# Altium PCB DSD_Aerobits_RPI4_OLED.PcbDoc (continued)
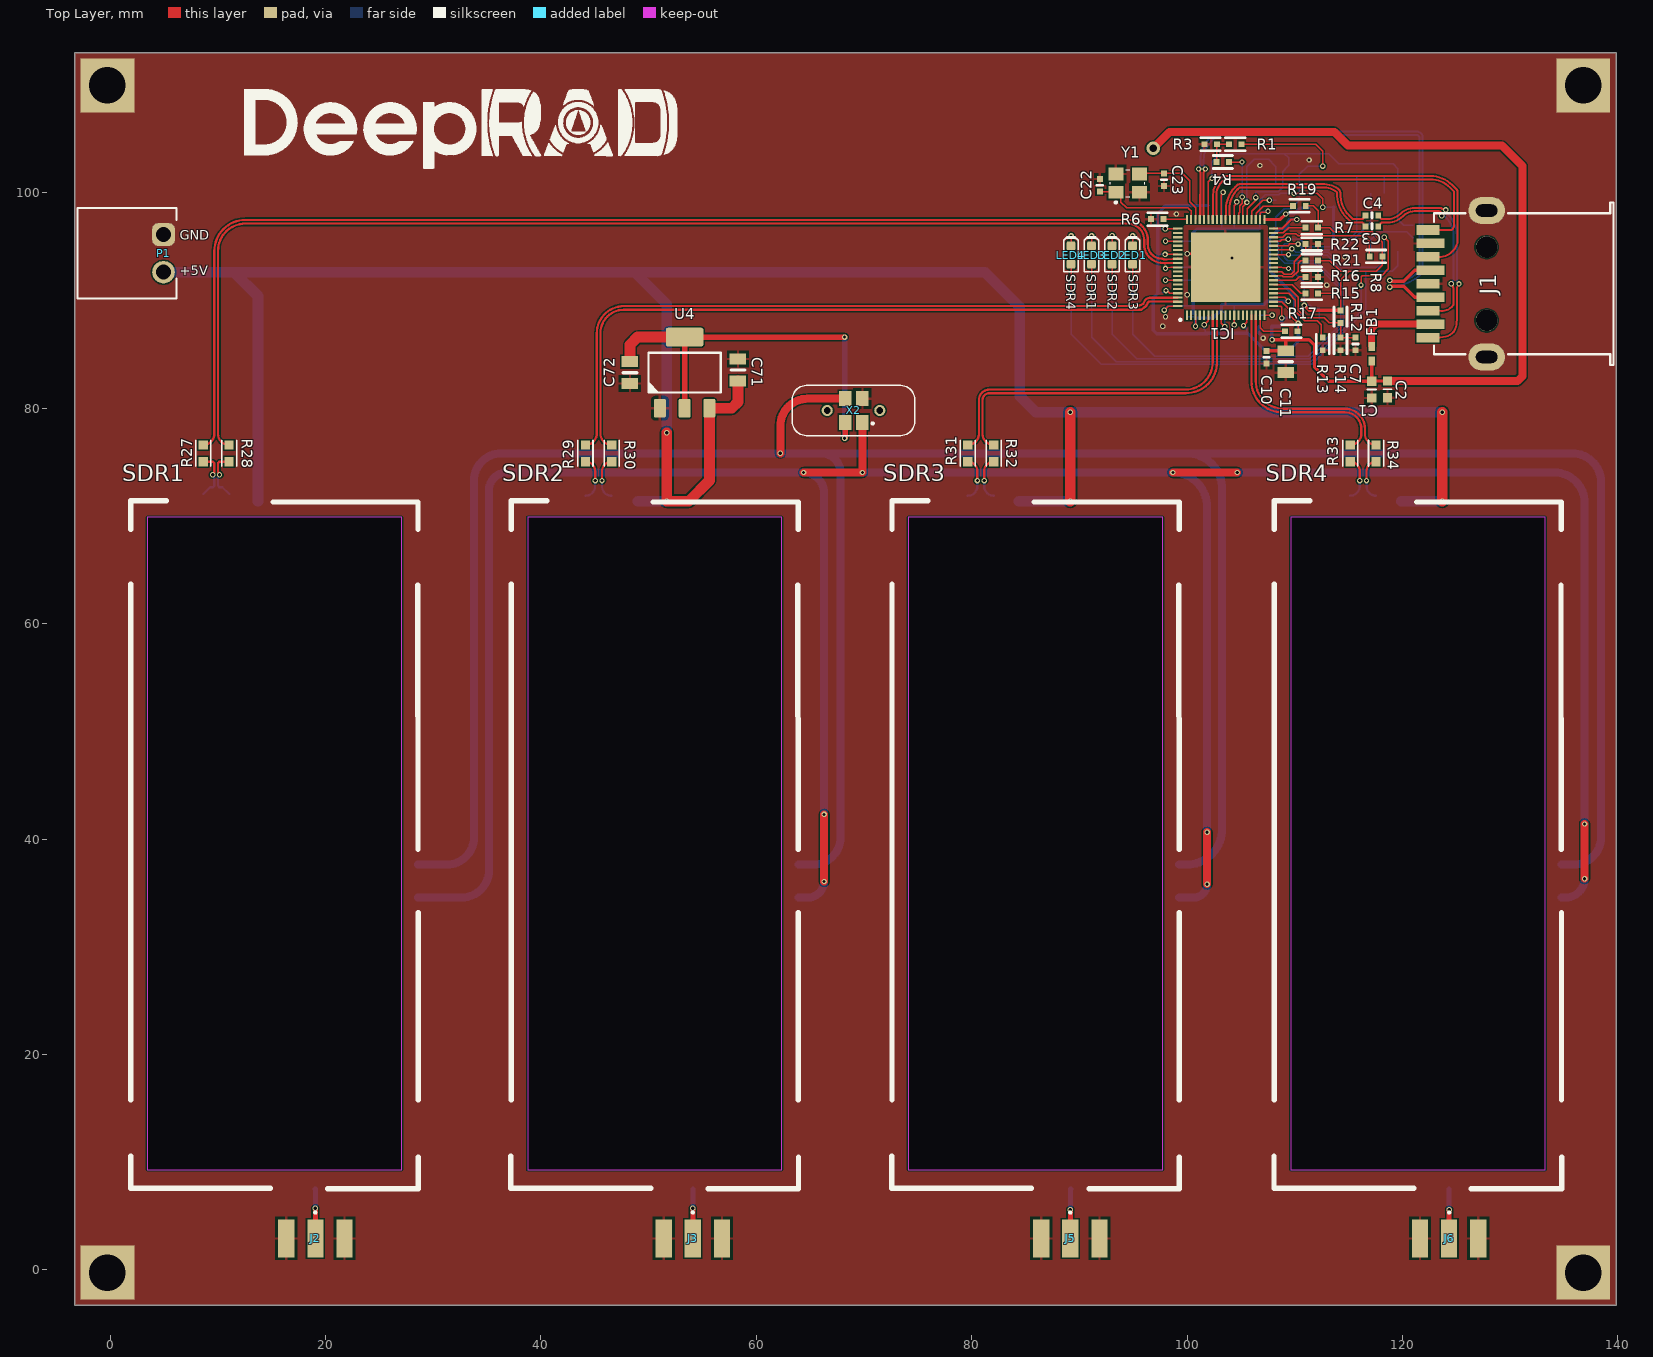
[diagram p0: Top Layer view]
## Part data
C1 C5: library part GRT188C81C106ME13D, "CAP CER 10UF 16V X6S 0603", Digi-Key Part Number=490-12286-1-ND, Manufacturer="Murata Electronics North America", Operating Temperature="-55°C ~ 105°C", Package / Case="0603 (1608 Metric)", Ratings=AEC-Q200, Temperature Coefficient=X6S, Tolerance=±20%, Voltage=16V, @ qty=0, Applications=Automotive, Datasheets=http://search.murata.co.jp/Ceramy/image/img/A01X/G101/ENG/GRT188C81C106ME13-01.pdf, Factory Stock=0, Features=-, Height - Seated (Max)=-, Image=//media.digikey.com/Renders/Murata%20Renders/0603%28LQG18%29.jpg, Lead Spacing=-, Lead Style=-, Minimum Quantity=1, Mounting Type="Surface Mount, MLCC", Packaging="Cut Tape (CT)", Part Number=GRT188C81C106ME13D, Part Status=Active, Quantity Available=5439, Series=GRT, Size / Dimension="0.063\" L x 0.031\" W (1.60mm x 0.80mm)", Thickness (Max)="0.035\" (0.90mm)", Unit Price (USD)=0,46
C2: library part GRT188C81C225KE13D, "CAP CER 2.2UF 16V X6S 0603", Digi-Key Part Number=490-12287-1-ND, Manufacturer="Murata Electronics North America", Operating Temperature="-55°C ~ 105°C", Package / Case="0603 (1608 Metric)", Ratings=AEC-Q200, Temperature Coefficient=X6S, Tolerance=±10%, Voltage=16V, @ qty=0, Applications=Automotive, Datasheets=http://search.murata.co.jp/Ceramy/image/img/A01X/G101/ENG/GRT188C81C225KE13-01.pdf, Factory Stock=0, Features=-, Height - Seated (Max)=-, Image=//media.digikey.com/Renders/Murata%20Renders/0603%28LQG18%29.jpg, Lead Spacing=-, Lead Style=-, Minimum Quantity=1, Mounting Type="Surface Mount, MLCC", Packaging="Cut Tape (CT)", Part Number=GRT188C81C225KE13D, Part Status=Active, Quantity Available=5939, Series=GRT, Size / Dimension="0.063\" L x 0.031\" W (1.60mm x 0.80mm)", Thickness (Max)="0.035\" (0.90mm)", Unit Price (USD)=0,21
C3 C4 C6 C8 C10 C14 C15 C16 C17 C18 C19 C20 C21 C24 C25 C26 C27 C28 C29 C30 C31 C32 C33: library part GCM155R71C104KA55J, "CAP CER 0.1UF 16V X7R 0402", Digi-Key Part Number=490-7998-1-ND, Manufacturer="Murata Electronics North America", Operating Temperature="-55°C ~ 125°C", Package / Case="0402 (1005 Metric)", Ratings=AEC-Q200, Temperature Coefficient=X7R, Tolerance=±10%, Voltage=16V, @ qty=0, Applications=Automotive, Datasheets=http://www.murata.com/~/media/webrenewal/support/library/catalog/products/capacitor/mlcc/c03e.ashx, Factory Stock=0, Features=-, Height - Seated (Max)=-, Image=//media.digikey.com/Renders/Murata%20Renders/ZRB-SERIES-0402.jpg, Lead Spacing=-, Lead Style=-, Minimum Quantity=1, Mounting Type="Surface Mount, MLCC", Packaging="Cut Tape (CT)", Part Number=GCM155R71C104KA55J, Part Status=Active, Quantity Available=618705, Series=GCM, Size / Dimension="0.039\" L x 0.020\" W (1.00mm x 0.50mm)", Thickness (Max)="0.022\" (0.55mm)", Unit Price (USD)=0,1
C7 C12 C13: library part GRM155R61E105MA12D, "CAP CER 1UF 25V X5R 0402", Digi-Key Part Number=490-10018-1-ND, Manufacturer="Murata Electronics North America", Operating Temperature="-55°C ~ 85°C", Package / Case="0402 (1005 Metric)", Ratings=-, Temperature Coefficient=X5R, Tolerance=±20%, Voltage=25V, @ qty=0, Applications="General Purpose", Datasheets=http://www.murata.com/~/media/webrenewal/support/library/catalog/products/capacitor/mlcc/c02e.pdf, Factory Stock=0, Features="Derating Recommended", Height - Seated (Max)=-, Image=//media.digikey.com/Renders/Murata%20Renders/ZRB-SERIES-0402.jpg, Lead Spacing=-, Lead Style=-, Minimum Quantity=1, Mounting Type="Surface Mount, MLCC", Packaging="Cut Tape (CT)", Part Number=GRM155R61E105MA12D, Part Status=Active, Quantity Available=32609, Series=GRM, Size / Dimension="0.039\" L x 0.020\" W (1.00mm x 0.50mm)", Thickness (Max)="0.022\" (0.55mm)", Unit Price (USD)=0,1
C9: library part ZRB15XR61A475KE01D, "CAP CER 4.7UF 10V X5R 0402", Digi-Key Part Number=490-13252-1-ND, Manufacturer="Murata Electronics North America", Operating Temperature="-55°C ~ 85°C", Package / Case="0402 (1005 Metric)", Ratings=-, Temperature Coefficient=X5R, Tolerance=±10%, Voltage=10V, @ qty=0, Applications="Acoustic Noise Reduction", Datasheets=http://search.murata.co.jp/Ceramy/image/img/A01X/G101/ENG/ZRB15XR61A475KE01-01.pdf, Factory Stock=0, Features="Derating Recommended, Interposer Termination", Height - Seated (Max)=-, Image=//media.digikey.com/Renders/Murata%20Renders/ZRB-SERIES-0402.jpg, Lead Spacing=-, Lead Style=-, Minimum Quantity=1, Mounting Type="Surface Mount, MLCC", Packaging="Cut Tape (CT)", Part Number=ZRB15XR61A475KE01D, Part Status=Active, Quantity Available=23076, Series=ZRB, Size / Dimension="0.039\" L x 0.020\" W (1.00mm x 0.50mm)", Thickness (Max)="0.031\" (0.80mm)", Unit Price (USD)=0,28
C11 C71: library part GRT21BC81C106KE01L, "CAP CER 10UF 16V X6S 0805", Digi-Key Part Number=490-12343-1-ND, Manufacturer="Murata Electronics North America", Operating Temperature="-55°C ~ 105°C", Package / Case="0805 (2012 Metric)", Ratings=AEC-Q200, Temperature Coefficient=X6S, Tolerance=±10%, Voltage=16V, @ qty=0, Applications=Automotive, Datasheets=http://search.murata.co.jp/Ceramy/image/img/A01X/G101/ENG/GRT21BC81C106KE01-01.pdf, Factory Stock=0, Features="Derating Recommended", Height - Seated (Max)=-, Image=//media.digikey.com/Renders/Murata%20Renders/GRT%20Series%200805(2012%20Metric).jpg, Lead Spacing=-, Lead Style=-, Minimum Quantity=1, Mounting Type="Surface Mount, MLCC", Packaging="Cut Tape (CT)", Part Number=GRT21BC81C106KE01L, Part Status=Active, Quantity Available=4300, Series=GRT, Size / Dimension="0.079\" L x 0.049\" W (2.00mm x 1.25mm)", Thickness (Max)="0.057\" (1.45mm)", Unit Price (USD)=0,54
C22 C23: library part GRM1555C1E180JA01D, "CAP CER 18PF 25V NP0 0402", Digi-Key Part Number=490-6172-1-ND, Manufacturer="Murata Electronics North America", Operating Temperature="-55°C ~ 125°C", Package / Case="0402 (1005 Metric)", Ratings=-, Temperature Coefficient="C0G, NP0", Tolerance=±5%, Voltage=25V, @ qty=0, Applications="General Purpose", Datasheets=http://www.murata.com/~/media/webrenewal/support/library/catalog/products/capacitor/mlcc/c02e.pdf, Factory Stock=0, Features=-, Height - Seated (Max)=-, Image=//media.digikey.com/Renders/Murata%20Renders/ZRB-SERIES-0402.jpg, Lead Spacing=-, Lead Style=-, Minimum Quantity=1, Mounting Type="Surface Mount, MLCC", Packaging="Cut Tape (CT)", Part Number=GRM1555C1E180JA01D, Part Status=Active, Quantity Available=78161, Series=GRM, Size / Dimension="0.039\" L x 0.020\" W (1.00mm x 0.50mm)", Thickness (Max)="0.022\" (0.55mm)", Unit Price (USD)=0,1
C72: library part GRT21BR61C226ME13L, "CAP CER 22UF 16V X5R 0805", Digi-Key Part Number=490-12383-1-ND, Manufacturer="Murata Electronics North America", Operating Temperature="-55°C ~ 85°C", Package / Case="0805 (2012 Metric)", Ratings=AEC-Q200, Temperature Coefficient=X5R, Tolerance=±20%, Voltage=16V, @ qty=0, Applications=Automotive, Datasheets=http://search.murata.co.jp/Ceramy/image/img/A01X/G101/ENG/GRT21BR61C226ME13-01.pdf, Factory Stock=0, Features=-, Height - Seated (Max)=-, Image=//media.digikey.com/Renders/Murata%20Renders/GRT%20Series%200805(2012%20Metric).jpg, Lead Spacing=-, Lead Style=-, Minimum Quantity=1, Mounting Type="Surface Mount, MLCC", Packaging="Cut Tape (CT)", Part Number=GRT21BR61C226ME13L, Part Status=Active, Quantity Available=32, Series=GRT, Size / Dimension="0.079\" L x 0.049\" W (2.00mm x 1.25mm)", Thickness (Max)="0.057\" (1.45mm)", Unit Price (USD)=0,58
FB1: library part 782423100, "WE-CBA SMT EMI Suppression Ferrite Bead, size 0402, 10Ohm, 1.5A", Case/Size Code=0402, DC Resistance Max=0.03Ohm, Manufacturer="Wurth Elektronik", Operating Temperature Max=125°C, Operating Temperature Min=-55°C, Rated Current=1.5A, Automotive=Yes, Category="Ferrites for PCB Assembly", ComponentLink1Description="Website Link", ComponentLink1URL=https://www.we-online.com/redexpert/article/782423100?ad, ComponentLink2Description="Datasheet Link", ComponentLink2URL=https://www.we-online.com/redexpert/spec/782423100?ad, Height=0.5mm, Impedance @100MHz=10Ohm, Impedance Max=17Ohm, Length=1mm, Manufacturer Part Number=782423100, Match Code=WE-CBA, Mount="Surface Mount", Packaging="Tape and Reel", Type="High Current", Width=0.5mm
IC1: "Integrated Circuit", Manufacturer_Name=VIA, Manufacturer_Part_Number=VL817-Q7(B0), Datasheet Link=https://item.szlcsc.com/210703.html, Height=0.9mm
IC2: "Integrated Circuit", Manufacturer_Name=Microchip, Mouser Part Number=804-25VF512A3CSAE, Arrow Part Number=SST25VF512A-33-4C-SAE, Arrow Price/Stock=https://www.arrow.com/en/products/sst25vf512a-33-4c-sae/microchip-technology?region=nac, Datasheet Link=http://ww1.microchip.com/downloads/en/DeviceDoc/25090A.pdf, Height=1.75mm, Manufacturer_Part_Number=SST25VF512A-33-4C-SAE, Mouser Price/Stock=https://www.mouser.co.uk/ProductDetail/Microchip-Technology/SST25VF512A-33-4C-SAE?qs=sPPKN8MmjErx4W822Eh6pg%3D%3D
J1: "WR-COM USB 3.0 Type A Horizontal SMT", Manufacturer="Wurth Elektronik", Operating Temperature Max=85°C, Operating Temperature Min=-20°C, Rated Current=1.8A, Working Voltage="30V (AC)", Application="USB 3.0", Category="Input/Output Connectors", ComponentLink1Description="Website Link", ComponentLink1URL=https://www.we-online.com/redexpert/article/692122030100?ad, ComponentLink2Description="Datasheet Link", ComponentLink2URL=https://www.we-online.com/redexpert/spec/692122030100?ad, Gender=Receptacle, Interface Type="Type A", Manufacturer Part Number=692122030100, Match Code=WR-USB, Mount="Surface Mount", Number of Pins=9, Number of Ports=1, Orientation=Horizontal, Packaging="Tape and Reel"
J2 J3 J5 J6: "SMA Connector Jack, Female Socket - Board Edge, End Launch Solder", Package=None, Check_prices=https://www.snapeda.com/parts/CON-SMA-EDGE-S/RF+Solutions/view-part/?ref=eda, Digi-Key_Part_Number=CON-SMA-EDGE-S-ND, MF="RF Solutions", MP=CON-SMA-EDGE-S, Purchase-URL=https://pricing.snapeda.com/search/part/CON-SMA-EDGE-S/?ref=eda, SnapEDA_Link=https://www.snapeda.com/parts/CON-SMA-EDGE-S/RF+Solutions/view-part/?ref=snap
L1: library part CB2518T4R7M, "Ind Power Chip Wirewound 4.7uH 20% 7.96MHz Ferrite 1.1A 1007 T/R", Package=None, Availability=Unavailable, MP=CB2518T4R7M, Price=None
LED1 LED2 LED3 LED4: library part LED_SMD_Green_0603_525nm_350mcd, "LED 0603 SMD Green 525nm 350mcd 20mA", Current - Test=20mA, Manufacturer 1=Kingbright, Manufacturer 2="Kingbright Company LLC", Manufacturer Part Number 1=APT1608ZGCK, Manufacturer Part Number 2=APT1608-WAP24, Package / Case="0603 (1608 metric)", Ratings="200mcd min; 350 mcd typ @ 20mA", Supplier Part Number 1=604-APT1608ZGCK, Voltage - Forward (Vf) @ 10mA=3.1V, Voltage - Forward (Vf) @ 20mA=3.3V, Color=Green, ComponentLink1Description=http://www.mouser.com/ds/2/216/APT1608ZGCK-262051.pdf, ComponentLink1URL=http://www.mouser.com/ds/2/216/APT1608ZGCK-262051.pdf, ComponentLink2Description="APT1608-WAP24 Datasheet", ComponentLink2URL="\\SVFI2\PBLShare\Eng\Electrical Engineering\Hardware\Altium\Libraries and Templates\Unreleased Components\Part Number Request 2013-10-02\APT1608-WAP24(Ver.1B).pdf", Lens Style/Size="Rectangle with Flat Top, 1.2mm x 0.8mm", Material=InGaN, SCDType=source, Supplier 1=Mouser, Viewing Angle=120°
P1: "WR-TBL Serie 3221 Horizontal PCB Header, Pluggable, THT, pitch 3.5mm, 2p", Manufacturer="Wurth Elektronik", Operating Temperature="-40 to +105degC", Rated Current [UL]=10A, Working Voltage [UL]=300VAC, Application=Pluggable, ComponentLink1Description=Manufacturer, ComponentLink1URL=http://www.we-online.de, ComponentLink2Description=Datasheet, ComponentLink2URL=https://katalog.we-online.de/em/datasheet/691322110002.pdf, Manufacturer Part Number=691322110002, Modularity=No, Mounting Technology=THT, Packaging=Box, PCB/Cable/Panel=PCB, Pin Number=2, Pitch=3.5mm, Published Date="Feburary 2021", Type=Horizontal
R1 R13: library part ERJ-2RKF4701X, "RES SMD 4.7K OHM 1% 1/10W 0402", Digi-Key Part Number=P4.70KLCT-ND, Manufacturer="Panasonic Electronic Components", Operating Temperature="-55°C ~ 155°C", Package / Case="0402 (1005 Metric)", Power (Watts)="0.1W, 1/10W", Supplier Device Package=0402, Temperature Coefficient=±100ppm/°C, Tolerance=±1%, @ qty=1500, Composition="Thick Film", Datasheets=http://industrial.panasonic.com/www-cgi/jvcr13pz.cgi?E+PZ+3+AOA0002+ERJ2RKF4701X+7+WW, Factory Stock=0, Failure Rate=-, Features="Automotive AEC-Q200", Height - Seated (Max)="0.016\" (0.40mm)", Image=//media.digikey.com/Photos/Panasonic%20Photos/ERJ-PA2-Series.jpg, Minimum Quantity=1, Number of Terminations=2, Packaging="Cut Tape (CT)", Part Number=ERJ-2RKF4701X, Part Status=Active, Quantity Available=1881807, Series=ERJ, Size / Dimension="0.039\" L x 0.020\" W (1.00mm x 0.50mm)", Unit Price (USD)=0.00496
R2 R3 R5 R7 R8 R9 R10 R11 R12 R15 R16 R17 R18 R19 R20 R21 R22: library part ERJ-2RKF1002X, "RES SMD 10K OHM 1% 1/10W 0402", Digi-Key Part Number=P10.0KLCT-ND, Manufacturer="Panasonic Electronic Components", Operating Temperature="-55°C ~ 155°C", Package / Case="0402 (1005 Metric)", Power (Watts)="0.1W, 1/10W", Supplier Device Package=0402, Temperature Coefficient=±100ppm/°C, Tolerance=±1%, @ qty=1500, Composition="Thick Film", Datasheets=http://industrial.panasonic.com/www-cgi/jvcr13pz.cgi?E+PZ+3+AOA0002+ERJ2RKF1002X+7+WW, Factory Stock=0, Failure Rate=-, Features="Automotive AEC-Q200", Height - Seated (Max)="0.016\" (0.40mm)", Image=//media.digikey.com/Photos/Panasonic%20Photos/ERJ-PA2-Series.jpg, Minimum Quantity=1, Number of Terminations=2, Packaging="Cut Tape (CT)", Part Number=ERJ-2RKF1002X, Part Status=Active, Quantity Available=9922786, Series=ERJ, Size / Dimension="0.039\" L x 0.020\" W (1.00mm x 0.50mm)", Unit Price (USD)=0.00496
R4 R14: library part ERJ-2RKF1003X, "RES SMD 100K OHM 1% 1/10W 0402", Digi-Key Part Number=P100KLCT-ND, Manufacturer="Panasonic Electronic Components", Operating Temperature="-55°C ~ 155°C", Package / Case="0402 (1005 Metric)", Power (Watts)="0.1W, 1/10W", Supplier Device Package=0402, Temperature Coefficient=±100ppm/°C, Tolerance=±1%, @ qty=1500, Composition="Thick Film", Datasheets=http://industrial.panasonic.com/www-cgi/jvcr13pz.cgi?E+PZ+3+AOA0002+ERJ2RKF1003X+7+WW, Factory Stock=0, Failure Rate=-, Features="Automotive AEC-Q200", Height - Seated (Max)="0.016\" (0.40mm)", Image=//media.digikey.com/Photos/Panasonic%20Photos/ERJ-PA2-Series.jpg, Minimum Quantity=1, Number of Terminations=2, Packaging="Cut Tape (CT)", Part Number=ERJ-2RKF1003X, Part Status=Active, Quantity Available=2645965, Series=ERJ, Size / Dimension="0.039\" L x 0.020\" W (1.00mm x 0.50mm)", Unit Price (USD)=0.00496
R6: library part ERJ-2RKF6041X, "RES SMD 6.04K OHM 1% 1/10W 0402", Digi-Key Part Number=P6.04KLCT-ND, Manufacturer="Panasonic Electronic Components", Operating Temperature="-55°C ~ 155°C", Package / Case="0402 (1005 Metric)", Power (Watts)="0.1W, 1/10W", Supplier Device Package=0402, Temperature Coefficient=±100ppm/°C, Tolerance=±1%, @ qty=1500, Composition="Thick Film", Datasheets=http://industrial.panasonic.com/www-cgi/jvcr13pz.cgi?E+PZ+3+AOA0002+ERJ2RKF6041X+7+WW, Factory Stock=0, Failure Rate=-, Features="Automotive AEC-Q200", Height - Seated (Max)="0.016\" (0.40mm)", Image=//media.digikey.com/Photos/Panasonic%20Photos/ERJ-PA2-Series.jpg, Minimum Quantity=1, Number of Terminations=2, Packaging="Cut Tape (CT)", Part Number=ERJ-2RKF6041X, Part Status=Active, Quantity Available=368877, Series=ERJ, Size / Dimension="0.039\" L x 0.020\" W (1.00mm x 0.50mm)", Unit Price (USD)=0.00496
R23 R24 R25 R26: library part ERJ-2GEJ471X, "RES SMD 470 OHM 5% 1/10W 0402", Digi-Key Part Number=P470JCT-ND, Manufacturer="Panasonic Electronic Components", Operating Temperature="-55°C ~ 155°C", Package / Case="0402 (1005 Metric)", Power (Watts)="0.1W, 1/10W", Supplier Device Package=0402, Temperature Coefficient=±200ppm/°C, Tolerance=±5%, @ qty=1500, Composition="Thick Film", Datasheets=http://industrial.panasonic.com/www-cgi/jvcr13pz.cgi?E+PZ+3+AOA0001+ERJ2GEJ471X+7+WW, Factory Stock=0, Failure Rate=-, Features="Automotive AEC-Q200", Height - Seated (Max)="0.016\" (0.40mm)", Image=//media.digikey.com/Photos/Panasonic%20Photos/ERJ-PA2-Series.jpg, Minimum Quantity=1, Number of Terminations=2, Packaging="Cut Tape (CT)", Part Number=ERJ-2GEJ471X, Part Status=Active, Quantity Available=870271, Series=ERJ, Size / Dimension="0.039\" L x 0.020\" W (1.00mm x 0.50mm)", Unit Price (USD)=0.00350
R27 R28 R29 R30 R31 R32 R33 R34: library part ERJ-3GEY0R00V, "RES SMD 0.0OHM JUMPER 1/10W 0603", Digi-Key Part Number=P0.0GCT-ND, Manufacturer="Panasonic Electronic Components", Operating Temperature="-55°C ~ 155°C", Package / Case="0603 (1608 Metric)", Power (Watts)="0.1W, 1/10W", Supplier Device Package=0603, Temperature Coefficient=-, Tolerance=Jumper, @ qty=1500, Composition="Thick Film", Datasheets=http://industrial.panasonic.com/www-cgi/jvcr13pz.cgi?E+PZ+3+AOA0001+ERJ3GEY0R00V+7+WW, Factory Stock=0, Failure Rate=-, Features="Automotive AEC-Q200", Height - Seated (Max)="0.022\" (0.55mm)", Image=//media.digikey.com/Photos/Panasonic%20Photos/MFG_ERJ-P6W%20Series.jpg, Minimum Quantity=1, Number of Terminations=2, Packaging="Cut Tape (CT)", Part Number=ERJ-3GEY0R00V, Part Status=Active, Quantity Available=4813372, Series=ERJ, Size / Dimension="0.063\" L x 0.031\" W (1.60mm x 0.80mm)", Unit Price (USD)=0.00352
U4: "800mA Low-Dropout Linear Regulator", DigiKeyPartNumber=LM1117MP-3.3CT-ND, Manufacturer="National Semiconductor", PackageTopMarking=XYTT*N05A, PartNumber=LM1117MP-3.3, PowerWise=N, Code_IPC=SOT223-4, Code_JEDEC=TO-261-AA, ComponentLink1Description="LM1117 Datasheet", ComponentLink1URL=http://www.national.com/ds/LM/LM1117.pdf, ComponentLink2Description="LM1117 Web Page", ComponentLink2URL=http://www.national.com/pf/LM/LM1117.html, ComponentLink3Description="MP04A Package Page", ComponentLink3URL=http://www.national.com/packaging/folders/mp04a.html, CompType="LDO IC", DatasheetVersion=Apr-2006, PackageDescription="Molded SOT-223, 6.50 x 3.56 x 1.6mm Body, 4 Lead, 2.3mm Pitch", PackageReference=MP04A, PackageVersion="revB, Apr-2003", PinCount=4, Published=4-Dec-2008, Publisher="Altium Limited", RoHS=O
Y1: "Crystal or Oscillator", Manufacturer_Name=ABRACON, Datasheet Link=https://abracon.com/Resonators/ABM8G.pdf, Height=1mm, Manufacturer_Part_Number=ABM8G-25.000MHZ-18-D-2-Y-T3

## Free pads (board coordinates)
  rect 5x5 hole 3.4: 2(-0.254,-0.254) 2(-0.254,109.982) 2(136.779,-0.254) 2(136.779,109.982)

## Via types
v1: diameter 0.5, hole 0.3, Top Layer to Bottom Layer, tented both sides, 66 vias
v2: diameter 0.5, hole 0.3, Top Layer to Bottom Layer, 31 vias
v3: diameter 1.27, hole 0.711, Top Layer to Bottom Layer, tented both sides, 1 vias

## Nets (pads, with @x,y where several pads share a name; then routed paths per layer and width w, separated by ;. In a path a pad name is that pad's centre, name@x,y a point inside that pad or via, vN(x,y) a via of type N, cw(c..) or ccw(c..) an arc to the next point about the centre after c; other vN are vias at no path point)
0SSTX_N: C3.2 J1.8 | length 18
  Top Layer w0.186: C3.2 117.911,97.062 ccw(c117.859,97.113) 117.932,97.113 cw(c118.005,97.113) 117.953,97.165 cw(c118.165,96.953) 118.165,97.252 118.594,97.252 ccw(c118.594,99.323) 120.058,97.859 120.059,97.861 cw(c121.134,96.786) 121.134,98.306 123.38,98.306 cw(c123.38,98.103) 123.523,98.246 cw(c123.38,98.103) 123.583,98.103 123.583,98.035 ccw(c123.788,98.035) v1(123.643,97.89) ; J1.8 123.297,89.066 123.33,89.066 cw(c123.329,88.88) 123.368,89.062 ccw(c123.649,90.335) 124.698,89.56 ccw(c124.547,89.67) 124.734,89.669 124.734,91.08 ccw(c124.2,91.08) 124.577,91.457 cw(c124.687,91.567) v1(124.532,91.567)
  Bottom Layer w0.186: v1(123.643,97.89) ccw(c123.788,98.035) 123.788,97.83 cw(c123.788,97.465) 124.046,97.723 cw(c122.387,96.064) 124.734,96.064 124.734,91.976 cw(c124.389,91.976) 124.633,91.732 124.577,91.677 ccw(c124.687,91.567) v1(124.532,91.567)
0SSTX_P: C4.2 J1.9 | length 21.1
  Top Layer w0.186: C4.2 117.911,97.756 cw(c117.859,97.705) 117.932,97.705 ccw(c118.005,97.705) 117.953,97.653 ccw(c118.165,97.865) 118.165,97.566 118.591,97.566 ccw(c118.591,99.329) 119.838,98.082 119.839,98.083 cw(c121.132,96.79) 121.132,98.619 123.499,98.619 cw(c123.499,98.39) 123.661,98.552 ccw(c123.822,98.714) 123.822,98.485 123.879,98.485 cw(c123.879,98.28) v1(124.024,98.425) ; J1.9 122.427,86.526 122.533,86.452 ccw(c122.639,86.606) 122.672,86.422 124.031,86.669 ccw(c123.673,88.064) 124.712,87.067 ccw(c123.673,88.064) 124.749,87.107 124.75,87.108 ccw(c124.609,87.229) 124.771,87.138 ccw(c122.848,88.204) 125.047,88.204 125.047,91.066 cw(c125.58,91.066) 125.203,91.443 ccw(c125.093,91.553) v1(125.248,91.553)
  Bottom Layer w0.186: v1(124.024,98.425) cw(c123.879,98.28) 124.084,98.28 ccw(c124.449,98.28) 124.191,98.022 124.269,97.944 cw(c122.39,96.065) 125.047,96.065 125.047,91.962 ccw(c125.391,91.962) 125.147,91.718 125.203,91.663 cw(c125.093,91.553) v1(125.248,91.553)
1_1V: C5.1 C6.1 C24.1 C25.1 C26.1 C27.1 C28.1 C29.1 C30.1 C31.1 C32.1 C33.1 IC1.3 IC1.9 IC1.12 IC1.22 IC1.40 IC1.46 IC1.49 IC1.61 IC1.67 IC1.70 IC1.76 L1.2 | length 75.7
  Top Layer w0.127: v1(97.885,89.122) 98.258,89.495 99.123,89.495 IC1.76 ; v1@97.97,95.491 IC1.61 ; v1@97.98,91.89 IC1.70 ; v1(97.989,92.993) 98.469,93.089 cw(c98.493,92.964) 98.493,93.091 IC1.67 ; IC1.3 100.78,88.638 100.78,87.633 v1(100.783,87.63) ; IC1.9 103.177,87.903 v1(103.496,87.584) ; IC1.49 103.177,99.803 103.341,99.967 v1(103.341,100.068) ; v1@104.358,87.776 104.358,88.622 IC1.12 ; IC1.46 104.377,98.832 104.612,99.067 v1(104.612,99.168) ; IC1.40 106.777,98.115 106.851,98.189 107.304,98.189 107.413,98.298 v1(107.514,98.298) ; IC1.22 109.044,90.291 v1(109.397,89.937) ; v1(109.927,99.949) 112.086,99.949 112.594,99.441 v1(112.594,98.679)
  Bottom Layer w0.127: v1(97.885,89.122) 97.885,89.19 98.207,89.512 100.013,89.512 100.015,89.51 C27.1 ; v1(97.989,95.504) C30.1 ; v1(97.989,92.993) 98.469,93.089 cw(c98.493,92.964) 98.493,93.091 C29.1 ; v1(97.993,91.893) C28.1@100.58,91.893 ; C24.1 100.656,88.519 100.783,88.392 ; 103.176,89.154 103.496,88.834 v1(103.496,87.584) ; C31.1 103.196,99.822 103.341,99.967 v1(103.341,100.068) ; C26.1 104.375,89.591 v1(104.375,87.748) ; C32.1 104.4,98.856 104.612,99.067 v1(104.612,99.168) ; C33.1 106.746,96.718 106.746,97.973 ; v1(107.514,98.298) 107.071,98.298 106.746,97.973 ; v1(109.927,99.949) 108.635,99.949 108.508,99.822 107.26,99.822 106.746,99.308 106.746,97.973 ; v1(112.594,98.679) L1.2
  Bottom Layer w0.305: v1(100.783,87.63) 100.783,88.392 ; C33.1@106.746,96.718 106.681,96.653 C32.1 C31.1 100.915,96.653 100.58,96.317 C30.1 C29.1 100.58,91.893 C28.1 C27.1 100.58,88.849 100.783,88.646 100.783,88.392 ; v1(109.397,89.937) 107.408,89.937 107.107,89.637 C26.1 C25.1 103.196,89.154 102.434,88.392 100.783,88.392 ; C5.1 113.589,98.661 L1.2
3_3V: C8.1 C9.1 C14.1 C15.1 C16.1 C17.1 C18.1 C19.1 C20.1 C21.1 IC1.6 IC1.15 IC1.21 IC1.29 IC1.43 IC1.52 IC1.58 IC1.64 IC1.73 IC2.8 R2.2 R7.2 R8.2 R9.2 R10.2 R11.2 R12.2 R15.1 R17.1 R19.1 R21.1 | length 126
  Top Layer w0.127: v1(97.954,94.296) 97.956,94.293 99.125,94.293 IC1.64 ; v1(97.974,96.676) 97.982,96.683 99.119,96.683 IC1.58 ; v1(98.044,90.932) 98.145,90.932 98.387,90.689 IC1.73 ; v1(101.6,87.757) 101.606,87.757 101.963,88.114 101.963,88.628 IC1.6 ; IC1.52 101.977,101.016 v1(102.307,101.346) ; v1(105.232,87.682) 105.232,87.688 105.54,87.996 105.54,88.605 IC1.15 ; IC1.43 105.577,98.52 106.371,99.314 v1(106.371,99.568) 106.371,99.822 ; IC1.21 108.809,89.891 109.588,89.112 109.588,88.604 v1(110.308,87.884) 110.308,87.205 R17.1 ; IC1.29 108.039,93.104 108.795,93.104 108.858,93.04 109.367,93.04 v1(109.419,92.988) ; R19.1 111.705,98.806 112.162,98.349 R7.2 113.229,96.774 113.61,96.393 117.178,96.393 118.131,95.44 118.131,93.294 117.547,92.71 115.007,92.71 ; R15.1 113.864,90.678 114.245,91.059 ; R21.1 113.229,93.726 114.245,92.71 115.007,92.71 ; R12.2 114.245,91.059 ; 114.245,91.059 114.245,91.948 115.007,92.71
  Top Layer w0.305: v1(110.888,89.558) 111.342,89.103 R12.2
  Bottom Layer w0.127: C16.1@97.271,96.68 97.275,96.676 v1(97.974,96.676) ; C15.1@97.272,94.296 v1(97.954,94.296) ; C14.1@97.285,90.688 97.454,90.688 ccw(c97.454,90.815) 97.485,90.692 97.957,90.813 98.044,90.9 v1(98.044,90.932) ; v1(101.6,87.757) 101.614,87.743 101.614,87.317 101.679,87.251 101.679,87.145 C20.1 ; C17.1 101.984,101.024 v1(102.307,101.346) 102.307,102.87 103.069,103.632 109.038,103.632 ; v1(105.232,87.682) 105.519,87.395 105.519,87.119 C21.1@105.609,87.029 ; v1(106.371,99.568) C18.1 108.454,100.127 108.862,100.535 108.862,101.983 R2.2 109.419,102.54 109.419,103.251 109.038,103.632 ; v1(109.419,92.988) 109.49,92.917 109.644,92.917 C19.1 110.867,89.611 110.888,89.59 v1(110.888,89.558) ; v1(110.308,87.884) 110.308,88.519 110.888,89.099 v1(110.888,89.558) ; C8.1 C9.1 111.705,89.281 111.428,89.558 v1(110.888,89.558) ; R9.2 120.138,96.977 119.579,97.536 IC2.8 119.579,102.235 119.122,102.692 R10.2 R11.2 114.103,102.692 113.163,103.632 109.038,103.632
  Bottom Layer w0.305: C14.1@97.271,90.674 97.271,94.274 C15.1 C16.1 ; C16.1@97.271,96.68 C16.1 ; C14.1@97.285,90.688 97.279,90.688 97.159,90.568 97.159,90.562 96.846,90.249 96.846,87.249 97.161,86.934 C20.1 101.926,86.969 C21.1@105.609,86.969 ; C17.1 98.021,98.838 97.261,98.078 C16.1 ; C21.1 107.192,85.397 109.471,85.397 110.308,86.233 v1(110.308,87.884)
5VBus: C1.1 C2.1 C10.1 C11.2 C12.1 C13.1 FB1.2 IC1.20 IC1.38 R1.2 | length 125
  Top Layer w0.127: R1.2 111.959,104.521 112.594,103.886 v1(112.594,102.489) ; IC1.20 108.701,89.491 108.784,89.408 v1(108.784,88.392)
  Top Layer w0.203: IC1.38 108.828,96.691 109.673,97.536 v1(110.181,97.536)
  Top Layer w0.305: C10.1 109.159,85.338 C11.2 109.165,86.233 109.038,86.36 ; v1(107.895,86.36) 109.038,86.36 ; FB1.2 117.141,84.385 117.141,82.522 C1.1 ; C2.1 118.604,82.527 117.157,82.527 C1.1 ; 109.038,86.36 111.324,86.36 111.832,85.852 111.832,83.82 113.135,82.517 C1.1
  Top Layer w0.75: v3(96.846,104.14) 98.37,105.664 113.673,105.664 114.943,104.394 129.231,104.394 131.136,102.489 131.136,82.977 130.696,82.538 C2.1
  Bottom Layer w0.127: 108.327,96.445 108.216,96.556 108.216,97.73 109.024,98.538 109.659,98.538 110.435,99.314 110.435,101.727 111.197,102.489 v1(112.594,102.489)
  Bottom Layer w0.305: v1(107.895,86.36) 107.869,86.385 107.869,87.605 C12.1 108.605,87.63 108.784,87.809 v1(108.784,88.392) 109.419,88.392 109.965,88.938 109.965,90.513 107.641,92.837 107.641,95.758 108.327,96.445 108.573,96.69 C13.1 109.354,97.344 109.546,97.536 v1(110.181,97.536)
+3V3: C72.2 U4.2 U4.4 X2.4 | length 39.3
  Top Layer w0.5: U4.2 U4.4 53.342,86.614 v2(68.199,86.614) ; v2(68.199,77.216) 68.25,77.267 X2.4
  Top Layer w1: C72.2 48.26,85.901 48.971,86.612 U4.4
  Bottom Layer w0.5: v2(68.199,77.216) v2(68.199,86.614)
A1_N: R28.1 SDR1.3 | length 4.6
  Top Layer w0.211: v2@10.216,73.893 10.011,74.098 10.011,74.921 10.135,75.044 R28.1
  Bottom Layer w0.211: v2(10.156,73.823) 10.156,73.745 10.011,73.6 10.011,72.805 10.135,72.682 10.404,72.682 SDR1.3@11.049,72.037
A1_P: R27.1 SDR1.2 | length 4.4
  Top Layer w0.211: R27.1 9.55,75.044 9.674,74.921 9.674,74.046 9.529,73.902 v2(9.529,73.823)
  Bottom Layer w0.211: SDR1.2@8.636,72.037 9.281,72.682 9.55,72.682 9.674,72.805 9.674,73.6
A2_N: R30.1 SDR2.3 | length 4.2
  Top Layer w0.211: v2(45.665,73.289) 45.665,74.134 cw(c46.575,74.134) R30.1
  Bottom Layer w0.211: v2(45.665,73.289) 45.674,72.65 ccw(c45.885,72.653) 45.677,72.62 45.677,72.618 ccw(c46.547,72.764) SDR2.3@46.547,71.882
A2_P: R29.1 SDR2.2 | length 4.2
  Top Layer w0.211: R29.1 cw(c44.128,74.134) 45.038,74.134 v2(45.038,73.289)
  Bottom Layer w0.211: SDR2.2@44.134,71.882 ccw(c44.134,72.786) 45.022,72.618 ccw(c44.816,72.658) 45.026,72.654 v2(45.038,73.289)
A3_N: R32.1 SDR3.3 | length 4.2
  Top Layer w0.211: v2(81.153,73.289) 81.153,74.155 cw(c82.042,74.155) R32.1
  Bottom Layer w0.211: v2(81.153,73.289) 81.163,72.651 ccw(c81.374,72.655) 81.167,72.618 ccw(c82.046,72.775) SDR3.3@82.046,71.882
A3_P: R31.1 SDR3.2 | length 4.2
  Top Layer w0.211: R31.1 cw(c79.629,74.147) 80.526,74.147 v2(80.526,73.289)
  Bottom Layer w0.211: SDR3.2@79.633,71.882 ccw(c79.633,72.775) 80.512,72.618 ccw(c80.305,72.656) 80.515,72.652 v2(80.526,73.289)
A4_N: R34.1 SDR4.3 | length 4.2
  Top Layer w0.211: v2(116.659,73.289) 116.659,74.157 cw(c117.547,74.157) R34.1
  Bottom Layer w0.211: v2(116.659,73.289) 116.669,72.65 ccw(c116.88,72.654) 116.672,72.62 116.672,72.618 ccw(c117.544,72.767) SDR4.3@117.544,71.882
A4_P: R33.1 SDR4.2 | length 4.2
  Top Layer w0.211: R33.1 cw(c115.145,74.157) 116.032,74.157 v2(116.032,73.289)
  Bottom Layer w0.211: SDR4.2@115.131,71.882 ccw(c115.131,72.783) 116.017,72.618 ccw(c115.81,72.657) 116.021,72.653 v2(116.032,73.289)
B1_N: IC1.66 R28.2 | length 111.4
  Top Layer w0.211: R28.2 cw(c11.049,77.632) 10.011,77.632 10.011,94.615 cw(c12.551,94.615) 12.551,97.155 94.488,97.155 cw(c94.488,95.631) 96.012,95.631 96.012,95.231 ccw(c97.751,95.231) 97.751,93.491 97.774,93.491 cw(c97.773,93.28) 97.809,93.488 ccw(c97.952,94.295) 98.095,93.488 cw(c98.132,93.28) 98.131,93.491 IC1.66
B1_P: IC1.65 R27.2 | length 112
  Top Layer w0.211: R27.2 ccw(c8.636,77.632) 9.674,77.632 9.674,94.615 cw(c12.551,94.615) 12.551,97.493 94.488,97.493 cw(c94.488,95.631) 96.35,95.631 96.35,95.231 ccw(c97.689,95.231) 97.689,93.891 ccw(c97.952,94.295) 98.036,93.82 cw(c98.132,93.28) 98.098,93.828 IC1.65
B2_N: IC1.75 R30.2 | length 66.2
  Top Layer w0.211: R30.2 cw(c46.575,77.649) 45.521,77.649 45.521,86.974 cw(c47.701,86.974) 47.701,89.154 95.677,89.154 ccw(c95.677,89.365) 95.805,89.198 95.976,89.327 96.106,89.428 ccw(c95.769,89.861) 96.263,89.622 96.35,89.802 cw(c96.54,89.712) 96.539,89.922 99.096,89.922 cw(c99.096,89.891) IC1.75
B2_P: IC1.74 R29.2 | length 66.7
  Top Layer w0.211: R29.2 ccw(c44.128,77.649) 45.183,77.649 45.183,86.974 cw(c47.701,86.974) 47.701,89.492 95.244,89.492 ccw(c95.244,90.653) 95.633,89.559 ccw(c95.244,90.653) 95.887,89.686 ccw(c95.769,89.861) 95.959,89.769 96.047,89.951 cw(c96.54,89.712) 96.54,90.26 99.096,90.26 ccw(c99.096,90.291) IC1.74
B3_N: IC1.8 R32.2 | length 32.9
  Top Layer w0.211: R32.2 cw(c82.042,77.632) 81.004,77.632 81.004,80.772 cw(c81.639,80.772) 81.639,81.407 99.899,81.407 ccw(c99.899,84.285) 102.777,84.285 IC1.8
B3_P: IC1.7 R31.2 | length 32.8
  Top Layer w0.211: R31.2 ccw(c79.629,77.632) 80.667,77.632 80.667,80.772 cw(c81.639,80.772) 81.639,81.745 99.837,81.745 ccw(c99.837,84.285) 102.377,84.285 IC1.7
B4_N: IC1.17 R34.2 | length 20.9
  Top Layer w0.211: IC1.17 106.377,82.507 ccw(c108.917,82.507) 108.917,79.967 114.653,79.967 cw(c114.653,78.105) 116.515,78.105 116.515,77.626 ccw(c117.547,77.626) R34.2
B4_P: IC1.16 R33.2 | length 20.9
  Top Layer w0.211: IC1.16 105.977,82.507 ccw(c108.854,82.507) 108.854,79.629 114.653,79.629 cw(c114.653,78.105) 116.177,78.105 116.177,77.626 cw(c115.145,77.626) R33.2
EXTPWRON: IC1.44 R2.1 R5.1 | length 9.9
  Top Layer w0.127: IC1.44 105.172,97.546 105.172,98.738 v1(105.551,99.118)
  Bottom Layer w0.127: v1(105.551,99.118) 105.551,102.432 106.244,103.124 107.565,103.124 R2.1 108.25,102.438 R5.1
GND: C1.2 C2.2 C5.2 C6.2 C7.2 C8.2 C9.2 C10.2 C11.1 C12.2 C13.2 C14.2 C15.2 C16.2 C17.2 C18.2 C19.2 C20.2 C21.2 C22.2 C23.2 C24.2 C25.2 C26.2 C27.2 C28.2 C29.2 C30.2 C31.2 C32.2 C33.2 C71.1 C72.1 IC1.77 IC2.4 J1.4 J1.7 J1.Shell J2.G1 J2.G2 J2.G3 J2.G4 J3.G1 J3.G2 J3.G3 J3.G4 J5.G1 J5.G2 J5.G3 J5.G4 J6.G1 J6.G2 J6.G3 J6.G4 P1.1 pad.2 R3.1 R5.2 R6.1 R13.1 R14.2 R16.1 R18.1 R20.1 R22.1 R23.1 R24.1 R25.1 R26.1 SDR1.4 SDR2.4 SDR3.4 SDR4.4 U4.1 X2.2 Y1.2 Y1.4 | length 7.9
  Top Layer w0.254: v1(100.021,94.361) 102.307,94.361 IC1.77
  Bottom Layer w0.254: C30.2 101.758,95.494 103.186,95.494 C31.2 ; C25.2 C26.2 ; C12.2 106.676,86.973 107.058,86.59 v1(107.058,86.523)
  other v1: 97.735,87.63 97.991,88.504 100.021,90.551 112.975,91.44 104.169,93.97 114.63,94.055 99.005,98.044 106.762,102.551 111.324,103.061
NetFB1_1: FB1.1 J1.1 | length 7.3
  Top Layer w0.635: FB1.1 117.137,87.347 117.607,87.817 J1.1
NetIC1_39: IC1.39 L1.1 | length 4.6
  Top Layer w0.305: IC1.39 108.662,97.541 v1(109.165,98.044)
  Bottom Layer w0.305: v1(109.165,98.044) 109.202,98.081 109.964,98.081 110.478,98.595 111.243,98.595 L1.1
NetIC1_57: IC1.57 R6.2 | length 2.1
  Top Layer w0.127: R6.2@97.867,97.541 IC1.57
NetIC2_3: IC2.3 R9.1 | length 5.6
  Bottom Layer w0.127: IC2.3 117.039,95.631 117.801,96.393 120.392,96.393 R9.1
NetIC2_7: IC2.7 R10.1 | length 1.5
  Bottom Layer w0.127: IC2.7 R10.1
NetJ2_1: J2.1 SDR1.7 | length 4.6
  Top Layer w0.463: J2.1 v2(19.05,5.715)
  Bottom Layer w0.463: SDR1.7@19.028,7.494 cw(c19.028,7.472) 19.05,7.472 v2(19.05,5.715)
NetJ3_1: J3.1 SDR2.7 | length 4.6
  Top Layer w0.463: J3.1 v2(54.102,5.715)
  Bottom Layer w0.463: v2(54.102,5.715) 54.102,7.473 cw(c54.123,7.473) SDR2.7@54.123,7.494
NetJ5_1: J5.1 SDR3.7 | length 4.6
  Top Layer w0.463: J5.1 v2(89.154,5.588)
  Bottom Layer w0.463: v2(89.154,5.588) 89.154,7.431 cw(c89.217,7.431) SDR3.7@89.217,7.494
NetJ6_1: J6.1 SDR4.7 | length 4.6
  Top Layer w0.463: J6.1 v2(124.333,5.588)
  Bottom Layer w0.463: SDR4.7@124.311,7.494 124.311,5.61 ccw(c124.333,5.61) v2(124.333,5.588)
NetLED1_K: LED1.K R23.2 | length 4.3
  Top Layer w0.127: LED1.K 94.941,95.092 v1(94.941,96.012)
  Bottom Layer w0.127: R23.2 v1(94.941,96.012)
NetLED2_K: LED2.K R24.2 | length 4.4
  Top Layer w0.127: LED2.K@93.032,94.959 v1(93.032,96.016)
  Bottom Layer w0.127: v1(93.032,96.016) 93.032,92.666 R24.2
NetLED3_K: LED3.K R25.2 | length 4.5
  Top Layer w0.127: LED3.K@91.131,94.918 v1(91.131,96.012)
  Bottom Layer w0.127: R25.2 91.131,92.679 v1(91.131,96.012)
NetLED4_K: LED4.K R26.2 | length 4.3
  Top Layer w0.127: LED4.K@89.226,95.072 v1(89.226,96.012)
  Bottom Layer w0.127: v1(89.226,96.012) 89.226,93.599 89.229,93.595 R26.2
NetR1_1: R1.1 R3.2 R4.2 | length 2.8
  Top Layer w0.127: R4.2 102.713,102.895 102.764,102.946 R3.2 R1.1
OSC/NC: SDR1.6 SDR2.6 SDR3.6 SDR4.6 X2.1 | length 275.9
  Top Layer w0.75: v2(64.389,74.041) v2(69.85,74.041) X2.1 ; v2(66.294,36.068) v2(66.294,42.291) ; v2(98.679,74.041) v2(104.648,74.041) ; v2(101.854,35.814) v2(101.854,40.64) ; v2(136.906,36.322) v2(136.906,41.402)
  Bottom Layer w0.75: SDR1.6 32.639,34.581 ccw(c32.639,37.121) 35.179,37.121 35.179,72.39 cw(c36.83,72.39) 36.83,74.041 v2(64.389,74.041) cw(c64.389,72.136) 66.294,72.136 v2(66.294,42.291) ; SDR2.6 64.807,34.581 ccw(c64.807,36.068) v2(66.294,36.068) ; v2(69.85,74.041) v2(98.679,74.041) cw(c98.679,70.866) 101.854,70.866 v2(101.854,40.64) ; SDR3.6 100.621,34.581 ccw(c100.621,35.814) v2(101.854,35.814) ; v2(104.648,74.041) 134.112,74.041 cw(c134.112,71.247) 136.906,71.247 v2(136.906,41.402) ; SDR4.6 135.165,34.581 ccw(c135.165,36.322) v2(136.906,36.322)
OSC/OUT: SDR1.5 SDR2.5 SDR3.5 SDR4.5 X2.3 | length 280.1
  Top Layer w0.75: v2(62.23,75.819) 62.23,78.359 cw(c64.77,78.359) 64.77,80.899 X2.3
  Bottom Layer w0.75: SDR1.5 31.242,37.629 ccw(c31.242,40.169) 33.782,40.169 33.782,73.279 cw(c36.322,73.279) 36.322,75.819 v2(62.23,75.819) 66.04,75.819 ; SDR2.5 65.278,37.629 ccw(c65.278,40.169) 67.818,40.169 67.818,74.041 ccw(c66.04,74.041) 66.04,75.819 ; SDR3.5 99.949,37.629 ccw(c99.949,40.931) 103.251,40.931 103.251,72.517 ccw(c99.949,72.517) 99.949,75.819 ; SDR4.5 135.89,37.629 ccw(c135.89,40.169) 138.43,40.169 138.43,73.152 ccw(c135.763,73.152) 135.763,75.819 99.949,75.819 ; 66.04,75.819 99.949,75.819
OVCUR1: IC1.25 R15.2 | length 3.3
  Top Layer w0.127: IC1.25 109.749,91.491 110.562,90.678 R15.2
OVCUR2: IC1.18 R17.2 | length 3.6
  Top Layer w0.127: IC1.18 106.777,87.478 107.098,87.157 R17.2
OVCUR3: IC1.41 R19.2 | length 4.3
  Top Layer w0.127: IC1.41 106.413,97.578 106.413,98.111 107.049,98.746 109.791,98.746 R19.2
OVCUR4: IC1.27 R21.2 | length 4.1
  Top Layer w0.127: IC1.27 108.844,92.291 108.933,92.202 109.778,92.202 110.308,92.732 110.308,93.472 110.562,93.726 R21.2
PWREN1: IC1.26 R16.2 | length 3.1
  Top Layer w0.127: IC1.26 110.107,91.891 110.418,92.202 R16.2
PWREN2: IC1.19 R18.2 | length 2
  Top Layer w0.127: IC1.19 107.182,88.646 v1(107.895,88.646)
  Bottom Layer w0.127: R18.2 v1(107.895,88.646)
PWREN3: IC1.42 R20.2 | length 3.5
  Top Layer w0.127: IC1.42 105.983,97.548 105.983,98.291 107.006,99.314 v1(107.641,99.314)
  Bottom Layer w0.127: v1(107.641,99.314) R20.2
PWREN4: IC1.28 R22.2 | length 5.1
  Top Layer w0.127: IC1.28 108.803,92.691 109.038,92.456 109.673,92.456 109.927,92.71 109.927,93.599 110.994,94.666 R22.2
RST_OUT: C7.1 IC1.24 R12.1 R14.1 | length 11
  Top Layer w0.127: IC1.24 109.514,91.091 110.308,90.297 110.308,89.11 111.026,88.392 112.721,88.392 113.178,87.935 R12.1 R14.1 C7.1
SMCLK: IC1.36 R8.1 | length 10.7
  Top Layer w0.127: IC1.36 108.895,95.891 109.211,96.207 110.092,96.207 110.297,96.002 116.414,96.002 116.912,95.504 R8.1@116.912,94.075
SMDAT: IC1.37 R7.1 | length 3.2
  Top Layer w0.127: IC1.37 108.936,96.291 109.419,96.774 R7.1
SPICLK: IC1.34 IC2.6 LED2.A | length 56.1
  Top Layer w0.127: LED2.A 93.036,93.376 v1(93.036,90.708) ; IC1.34 109.374,95.091 109.545,95.262 110.296,95.262 v1(110.308,95.25)
  Bottom Layer w0.127: v1(93.036,90.708) 93.036,86.868 95.322,84.582 111.367,84.582 114.499,87.713 114.499,91.164 111.942,93.721 109.351,93.721 108.784,94.288 108.784,94.996 109.049,95.262 110.296,95.262 110.833,94.725 114.482,94.725 117.039,97.282 IC2.6
SPICS: IC1.32 IC2.1 LED4.A | length 54.5
  Top Layer w0.127: v1(89.226,90.705) LED4.A@89.226,93.346 ; IC1.32 108.047,94.271 109.415,94.271 v1(109.419,94.275)
  Bottom Layer w0.127: v1(89.226,90.705) 89.226,86.868 92.02,84.074 111.578,84.074 116.605,89.101 116.605,92.636 116.531,92.71 ; v1(109.419,94.275) 109.478,94.217 112.992,94.217 114.499,92.71 116.531,92.71 ; IC2.1 119.579,93.218 119.071,92.71 116.531,92.71
SPISI: IC1.35 IC2.5 LED1.A R11.1 | length 54.4
  Top Layer w0.127: LED1.A 94.941,93.376 v1(94.941,90.693) ; IC1.35 108.039,95.504 108.646,95.504 108.779,95.637 109.327,95.637 v1(109.393,95.702)
  Bottom Layer w0.127: v1(94.941,90.693) 94.941,86.868 96.973,84.836 111.262,84.836 114.245,87.819 114.245,91.059 111.837,93.467 109.084,93.467 108.454,94.097 108.454,95.428 108.708,95.682 109.372,95.682 v1(109.393,95.702) ; v1@109.401,95.691 110.49,95.691 111.185,94.996 114.372,94.996 115.769,96.393 IC2.5 R11.1
SPISO: IC1.33 IC2.2 LED3.A | length 57.3
  Top Layer w0.127: v1(91.131,90.707) LED3.A@91.131,93.342 ; IC1.33 108.052,94.716 109.522,94.716 109.627,94.821 v1(109.728,94.821) ; v1(116.15,91.44) 116.15,92.202 116.277,92.329 118.055,92.329 118.69,92.964 118.69,95.504 v1(118.309,95.885)
  Bottom Layer w0.127: v1(91.131,90.707) 91.131,86.614 93.417,84.328 111.473,84.328 116.15,89.005 v1(116.15,91.44) ; v1(109.728,94.821) 110.078,94.471 113.119,94.471 114.499,93.091 117.801,93.091 118.309,93.599 IC2.2 v1(118.309,95.885)
SSRX0_N: IC1.50 J1.5 | length 31.5
  Top Layer w0.186: IC1.50 102.777,97.835 ccw(c102.703,97.835) 102.755,97.888 cw(c102.808,97.94) 102.733,97.94 102.733,99.86 cw(c104.365,99.86) 103.211,101.013 103.455,101.257 122.596,101.257 cw(c122.596,98.717) 124.392,100.513 124.791,100.114 124.791,96.913 cw(c124.605,96.914) 124.75,96.797 ccw(c125.232,96.409) 124.672,96.673 cw(c124.504,96.753) 124.505,96.567 124.327,96.567 J1.5
SSRX0_P: IC1.51 J1.6 | length 34.7
  Top Layer w0.186: IC1.51 102.377,97.835 cw(c102.451,97.835) 102.399,97.888 ccw(c102.346,97.94) 102.42,97.94 102.42,99.862 cw(c104.361,99.862) 102.989,101.234 103.234,101.479 cw(c103.454,101.259) 103.454,101.57 122.597,101.57 cw(c122.597,98.72) 124.612,100.735 125.013,100.335 cw(c124.793,100.115) 125.104,100.115 125.104,95.454 cw(c124.918,95.454) 125.098,95.405 125.085,95.359 ccw(c125.265,95.311) 125.085,95.357 cw(c123.429,95.772) 123.353,94.067 ccw(c123.346,93.881) 123.347,94.067 J1.6
SSTX0_N: C3.1 IC1.47 | length 17.1
  Top Layer w0.186: IC1.47 103.977,97.835 ccw(c103.903,97.835) 103.955,97.888 cw(c104.008,97.94) 103.933,97.94 103.933,98.525 cw(c106.473,98.525) 104.677,100.321 104.852,100.495 112.769,100.495 cw(c112.769,98.761) 113.674,100.24 cw(c112.769,98.761) 113.844,100.122 cw(c113.728,99.976) 113.914,99.971 ccw(c117.01,99.876) 114.821,97.685 115.1,97.406 ccw(c115.452,97.76) 115.452,97.261 116.21,97.261 cw(c116.21,97.065) 116.353,97.199 cw(c116.217,97.072) 116.395,97.126 116.404,97.097 ccw(c116.582,97.151) 116.415,97.068 ccw(c116.473,97.113) 116.421,97.062 C3.1
SSTX0_P: C4.1 IC1.48 | length 17.6
  Top Layer w0.186: IC1.48 103.577,97.835 cw(c103.651,97.835) 103.599,97.888 ccw(c103.546,97.94) 103.62,97.94 103.62,98.525 cw(c106.471,98.525) 104.455,100.541 104.631,100.717 cw(c104.851,100.497) 104.851,100.808 112.773,100.808 cw(c112.773,98.727) 114.03,100.386 cw(c113.918,100.237) 114.061,100.356 114.11,100.298 cw(c113.728,99.976) 114.227,99.962 ccw(c117.01,99.876) 115.042,97.907 115.321,97.628 ccw(c115.452,97.76) 115.452,97.574 116.232,97.574 ccw(c116.232,97.747) 116.4,97.705 cw(c116.473,97.705) 116.421,97.756 C4.1
SSXI: C23.1 IC1.55 Y1.3 | length 8.3
  Top Layer w0.127: Y1.3@96.041,101.815 99.553,101.815 100.241,101.127 100.241,99.189 100.783,98.647 100.783,97.547 IC1.55
SSXO: C22.1 IC1.56 Y1.1 | length 10.6
  Top Layer w0.127: C22.1 93.829,100.127 93.841,100.115 93.841,99.144 94.381,98.603 100.096,98.603 100.148,98.552 100.262,98.438 100.377,98.323 IC1.56
TESTEN: IC1.23 R13.2 | length 7.5
  Top Layer w0.127: IC1.23 108.04,90.678 109.419,90.678 110.054,90.043 110.054,89.281 110.054,89.005 110.921,88.138 111.197,88.138 112.086,88.138 112.467,87.757 R13.2@112.467,86.563
USBDP0_N: IC1.54 J1.2 | length 48.3
  Top Layer w0.186: v1(101.069,102.221) ccw(c101.274,102.221) 101.129,102.076 101.147,102.058 cw(c100.958,101.868) 101.226,101.868 101.226,99.857 101.22,99.851 101.22,97.94 cw(c101.146,97.94) 101.199,97.888 ccw(c101.251,97.835) 101.177,97.835 IC1.54
  Top Layer w0.315: v1(118.817,91.254) 118.898,91.334 120.118,91.334 121.135,90.317 J1.2
  Bottom Layer w0.186: v1(101.069,102.221) cw(c101.274,102.221) 101.129,102.366 ccw(c100.895,102.6) 101.226,102.6 101.226,103.049 cw(c104.077,103.049) 102.061,105.065 102.142,105.146 cw(c103.5,103.788) 103.5,105.708 115.902,105.708 120.695,105.708 ccw(c120.696,105.894) 120.697,105.708 cw(c120.699,104.196) 120.701,105.708 ; v1(118.817,91.254) 118.824,91.262 cw(c118.962,91.136) 118.952,91.322 119.285,91.339 ccw(c119.276,91.525) 119.309,91.342 119.605,91.396 ccw(c118.836,95.584) 121.71,92.442 ccw(c121.37,92.808) 121.854,92.682 121.864,92.721 ccw(c121.684,92.768) 121.87,92.768 121.87,92.793 121.87,105.177 ccw(c121.37,105.176) 121.626,105.605 ccw(c121.248,104.967) 121.248,105.708 120.702,105.708
USBDP0_P: IC1.53 J1.3 | length 46.8
  Top Layer w0.186: IC1.53 101.577,97.835 ccw(c101.503,97.835) 101.555,97.888 cw(c101.608,97.94) 101.533,97.94 101.533,99.722 101.539,99.727 101.539,101.868 cw(c101.807,101.868) 101.617,102.058 101.636,102.076 ccw(c101.491,102.221) v1(101.696,102.221)
  Top Layer w0.315: v1(118.817,91.881) 118.898,91.8 120.118,91.8 121.135,92.817 J1.3
  Bottom Layer w0.186: v1(101.696,102.221) ccw(c101.491,102.221) 101.636,102.366 cw(c101.87,102.6) 101.539,102.6 101.539,103.048 cw(c104.079,103.048) 102.283,104.844 102.362,104.923 cw(c103.501,103.783) 103.501,105.395 115.904,105.395 121.225,105.395 121.248,105.395 cw(c121.248,104.967) 121.466,105.336 cw(c121.37,105.176) 121.557,105.177 121.557,92.807 cw(c121.37,92.808) 121.497,92.672 cw(c118.836,95.584) 119.332,91.671 cw(c119.309,91.855) 119.27,91.673 119.226,91.683 ccw(c118.818,89.67) 119.223,91.683 ccw(c118.818,89.67) v1@118.816,91.724
VBUS: C71.2 P1.2 SDR1.1 SDR2.1 SDR3.1 SDR4.1 U4.3 | length 217.7
  Top Layer w0.75: P1.2 P1.2@4.976,92.617
  Top Layer w1: v2(51.689,77.724) v2(51.689,71.374) 53.721,71.374 55.64,73.293 U4.3 55.642,80.01 57.707,80.01 58.293,80.596 C71.2 ; v2(89.154,71.374) v2(89.154,79.629) ; v2(123.698,71.374) v2(123.698,79.629)
  Bottom Layer w1: P1.2 11.501,92.639 ; SDR1.1 13.716,90.424 11.501,92.639 ; SDR2.1 v2(51.689,71.374) ; v2(51.689,77.724) 51.689,89.662 48.712,92.639 ; SDR3.1 v2(89.154,71.374) ; SDR4.1 v2(123.698,71.374) ; v2(123.698,79.629) v2(89.154,79.629) 85.979,79.629 84.459,81.149 84.459,89.404 81.224,92.639 48.712,92.639 ; 11.501,92.639 48.712,92.639
VBUSDET: IC1.45 R4.1 | length 6.7
  Top Layer w0.127: R4.1 v1(105.101,102.87) ; IC1.45 104.777,98.104 104.886,98.214 104.886,98.812 105.111,99.036 v1(105.111,99.62)
  Bottom Layer w0.127: v1(105.101,102.87) 105.111,102.86 v1(105.111,99.62)
pads on no net: IC1.1 IC1.2 IC1.4 IC1.5 IC1.10 IC1.11 IC1.13 IC1.14 IC1.30 IC1.31 IC1.59 IC1.60 IC1.62 IC1.63 IC1.68 IC1.69 IC1.71 IC1.72 J1.MH1 J1.MH2 LED1.0 LED2.0 LED3.0 LED4.0 U4.0 X2.5 X2.6

## Polygon pours and split planes (outlines as drawn)
GND on Top Layer "GND_L01_P009" (solid, pour order 9): -3.302,113.03 139.827,113.03 139.827,-3.302 -3.302,-3.302
GND on Bottom Layer "GND_L02_P010" (solid, pour order 10): -3.302,113.03 139.954,113.03 139.954,-3.302 -3.302,-3.302

## Silkscreen, mask and mechanical layers (free items; w line width, h text height)
Top Overlay:
  drawing of 18 lines, arcs and shapes, not listed
  text "GND" at 6.477,95.322 h1.52
  text "SDR4" at 88.464,92.456 h1.52 r270
  text "SDR1" at 90.369,92.456 h1.52 r270
  text "SDR2" at 92.329,92.456 h1.52 r270
  text "SDR3" at 94.234,92.456 h1.52 r270
  text "+5V" at 6.477,92.02 h1.52
Mechanical 1:
  the board outline again, w0.254